# Altium PCB AVR64DA64-BREAKOUT.PcbDoc (part 2 of 4)
Units mm, origin at the board's own origin, x right, y up, seen from the top; angles counter-clockwise.
Board outline 160.02 x 165.1 mm, 2 copper layers (Top Layer, Bottom Layer), stack 1.591 mm thick; 428 components, 351 nets, 1607 pads, 177 vias.
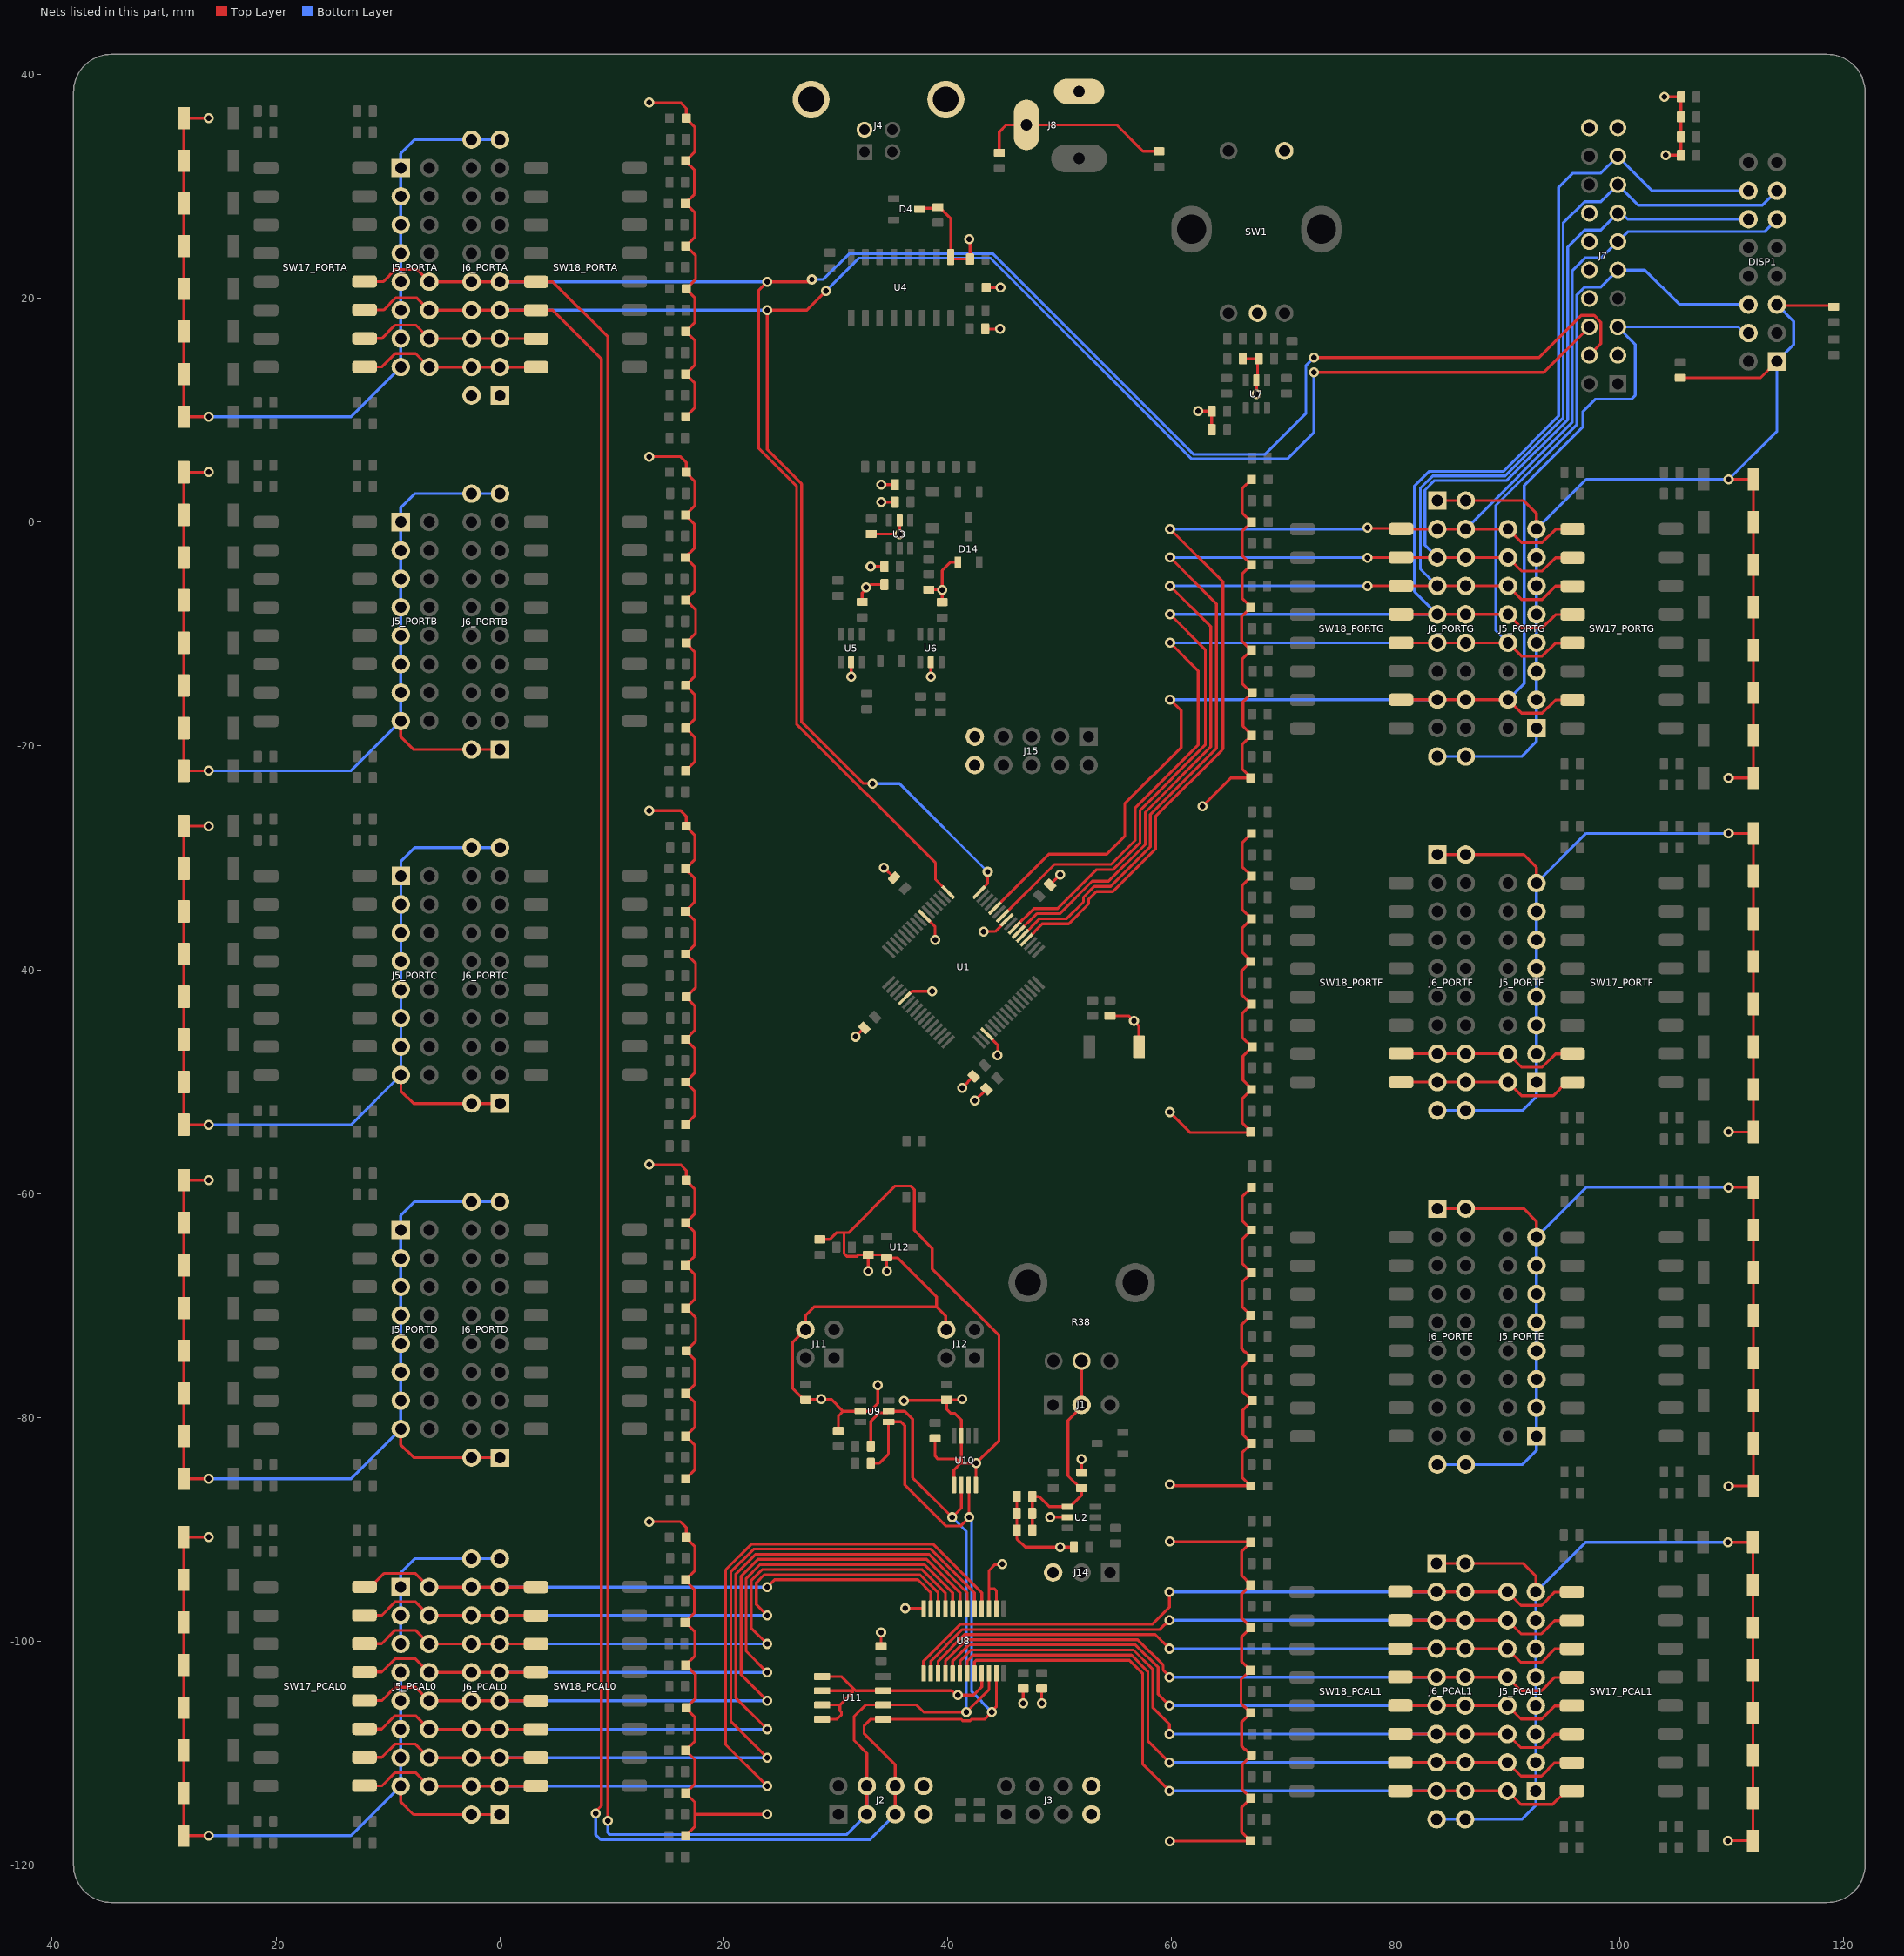
[diagram p2: the nets of this part, all layers, seen from the top]

## Footprints (in the part's own frame and the unit in brackets; to place one, negate y for a bottom-side part, rotate by r counter-clockwise, add the part's x,y. Pads: shape width x height; smd on the part's side, far side on the other; paste and mask are expansions set on the pad) (continued)
LED-0603-GREEN [mm] "LED,0603,LITEON,LTST-C193TGKT-5A"
  rrect12% 0.8x0.8 smd paste+0 mask+0.05: 1(-0.75,0) 2(0.75,0)
  body extent -0.8,-0.4 0.8,0.4, height 0.66
POTMETER-PTV09A-4015F-BXXX [mm]
  round 1.6 hole 1.1: 1(-2.5,-7) 2(0,-7) 3(2.5,-7)
  round 3.5 hole 2.3 unplated: ME1(-4.8,0) ME2(4.8,0)
  body extent -5.7,-7.15 5.7,5.5, height 15.01
QFP50P1000X1000X100-64N [mm]
  rrect25% 1.5x0.3 smd paste+0 mask+0.05: 1(-5.7,3.75) 2(-5.7,3.25) 3(-5.7,2.75) 4(-5.7,2.25) 5(-5.7,1.75) 6(-5.7,1.25) 7(-5.7,0.75) 8(-5.7,0.25) 9(-5.7,-0.25) 10(-5.7,-0.75) 11(-5.7,-1.25) 12(-5.7,-1.75) 13(-5.7,-2.25) 14(-5.7,-2.75) 15(-5.7,-3.25) 16(-5.7,-3.75) 33(5.7,-3.75) 34(5.7,-3.25) 35(5.7,-2.75) 36(5.7,-2.25) 37(5.7,-1.75) 38(5.7,-1.25) 39(5.7,-0.75) 40(5.7,-0.25) 41(5.7,0.25) 42(5.7,0.75) 43(5.7,1.25) 44(5.7,1.75) 45(5.7,2.25) 46(5.7,2.75) 47(5.7,3.25) 48(5.7,3.75)
  rrect25% 0.3x1.5 smd paste+0 mask+0.05: 17(-3.75,-5.7) 18(-3.25,-5.7) 19(-2.75,-5.7) 20(-2.25,-5.7) 21(-1.75,-5.7) 22(-1.25,-5.7) 23(-0.75,-5.7) 24(-0.25,-5.7) 25(0.25,-5.7) 26(0.75,-5.7) 27(1.25,-5.7) 28(1.75,-5.7) 29(2.25,-5.7) 30(2.75,-5.7) 31(3.25,-5.7) 32(3.75,-5.7) 49(3.75,5.7) 50(3.25,5.7) 51(2.75,5.7) 52(2.25,5.7) 53(1.75,5.7) 54(1.25,5.7) 55(0.75,5.7) 56(0.25,5.7) 57(-0.25,5.7) 58(-0.75,5.7) 59(-1.25,5.7) 60(-1.75,5.7) 61(-2.25,5.7) 62(-2.75,5.7) 63(-3.25,5.7) 64(-3.75,5.7)
  silkscreen extent -5.18,4.42 -4.42,5.18, body extent -5.79,-5.79 5.79,5.79, height 1
RESC0603 [mm] "RESISTOR, CHIP 0603 (1608)"
  rrect25% 0.72x0.99 smd paste+0 mask+0.075: 1(-0.69,0) 2(0.69,0)
  body extent -0.8,-0.4 0.8,0.4, height 0.37
SO65P490-8N [mm] "MSOP8, 0.65MM PITCH, 4.90MM SPAN, 1.15MM HEIGHT"
  rrect25% 1.45x0.395 smd mask+0.075: 1(-2.2,0.975) 2(-2.2,0.325) 3(-2.2,-0.325) 4(-2.2,-0.975) 5(2.2,-0.975) 6(2.2,-0.325) 7(2.2,0.325) 8(2.2,0.975)
  silkscreen extent -3.03,1.63 -2.27,1.63, body extent -2.45,-1.5 2.45,1.5, height 1.15
SO65P640X120-24N [mm] "TSSOP24 , 6.4MM TTT  0.65MM PITCH"
  rrect25% 1.45x0.396 smd mask+0.075: 1(-2.9,3.575) 2(-2.9,2.925) 3(-2.9,2.275) 4(-2.9,1.625) 5(-2.9,0.975) 6(-2.9,0.325) 7(-2.9,-0.325) 8(-2.9,-0.975) 9(-2.9,-1.625) 10(-2.9,-2.275) 11(-2.9,-2.925) 12(-2.9,-3.575) 13(2.9,-3.575) 14(2.9,-2.925) 15(2.9,-2.275) 16(2.9,-1.625) 17(2.9,-0.975) 18(2.9,-0.325) 19(2.9,0.325) 20(2.9,0.975) 21(2.9,1.625) 22(2.9,2.275) 23(2.9,2.925) 24(2.9,3.575)
  body extent -3.2,-3.9 3.2,3.9, height 1.21
SO127P600-8N [mm] "SO8"
  rrect25% 1.45x0.6 smd mask+0.075: 1(-2.725,1.905) 2(-2.725,0.635) 3(-2.725,-0.635) 4(-2.725,-1.905) 5(2.725,-1.905) 6(2.725,-0.635) 7(2.725,0.635) 8(2.725,1.905)
  silkscreen extent -3.55,2.63 -2.8,2.63, body extent -3.1,-2.5 3.1,2.5, height 1.75
SO127P600-16N [mm] "SO16"
  rrect25% 1.45x0.6 smd mask+0.075: 1(-2.725,4.445) 2(-2.725,3.175) 3(-2.725,1.905) 4(-2.725,0.635) 5(-2.725,-0.635) 6(-2.725,-1.905) 7(-2.725,-3.175) 8(-2.725,-4.445) 9(2.725,-4.445) 10(2.725,-3.175) 11(2.725,-1.905) 12(2.725,-0.635) 13(2.725,0.635) 14(2.725,1.905) 15(2.725,3.175) 16(2.725,4.445)
  silkscreen extent -3.1,5.05 -2.35,5.05, body extent -3.1,-5.05 2.9,5.05, height 1.35
SOD123 [mm] "SOD123"
  rrect25% 0.9x1.2 smd paste+0 mask+0.07: 1(-1.635,0) 2(1.635,0)
  silkscreen extent -2.32,-0.23 -2.32,0.23, body extent -1.85,-0.85 1.85,0.85, height 1.26
sot23 [mm] "SOT23 PACKAGE, 3 PIN"
  rrect25% 1x0.6 smd paste+0 mask+0.075: 1(-1.15,0.95) 2(-1.15,-0.95) 3(1.15,0)
  body extent -1.4,-1.45 1.4,1.45, height 1.3
SOT23 [mm] "SOT23 PACKAGE, 3 PIN"
  rrect25% 1x0.6 smd paste+0 mask+0.075: 1(-1.15,0.95) 2(-1.15,-0.95) 3(1.15,0)
  body extent -1.4,-1.45 1.4,1.45, height 1.3
SOT23-6 [mm] "SOT23 PACKAGE, 6 PIN (SOT26)"
  rrect25% 1.05x0.55 smd paste+0 mask+0.05: 1(-1.25,0.95) 2(-1.25,0) 3(-1.25,-0.95) 4(1.25,-0.95) 5(1.25,0) 6(1.25,0.95)
  silkscreen extent -1.88,1.58 -1.12,1.58, body extent -1.4,-1.45 1.4,1.45, height 1.45
sot23-6 [mm] "SOT23 PACKAGE, 6 PIN (SOT26)"
  rrect25% 1.05x0.55 smd paste+0 mask+0.05: 1(-1.25,0.95) 2(-1.25,0) 3(-1.25,-0.95) 4(1.25,-0.95) 5(1.25,0) 6(1.25,0.95)
  silkscreen extent -1.88,1.58 -1.12,1.58, body extent -1.4,-1.45 1.4,1.45, height 1.45
SWITCH-BOURNS-PEC12R-4120F-S0012 [mm] "SWITCH,ROTATRY+CLICK,20MM AXLE"
  round 1.6 hole 1: 1(-2.5,7) 2(2.5,7) A(-2.5,-7.5) B(2.5,-7.5) C(0.1,-7.5)
  oval 3.6x4.2 hole 2.6: M1(5.8,0) M2(-5.8,0)
  body extent -7,-7.6 7,7.15, height 20.01
SWITCH-CTS-219-8MST [mm]
  rrect50% 2.2x1.1 smd mask+0.05: 1(-4.4,8.878) 2(-4.4,6.338) 3(-4.4,3.798) 4(-4.4,1.258) 5(-4.4,-1.282) 6(-4.4,-3.822) 7(-4.4,-6.362) 8(-4.4,-8.902) 9(4.4,-8.877) 10(4.4,-6.337) 11(4.4,-3.798) 12(4.4,-1.257) 13(4.4,1.283) 14(4.4,3.823) 15(4.4,6.363) 16(4.4,8.903)
  body extent -4.95,-10.66 4.95,10.66, height 4.56
SWITCH-XUNPU-TS-1088-AR02016 [mm] "LCSC C720477"
  rrect9% 1.05x2 smd paste+0 mask+0.05: 1(-2.225,0) 2(2.225,0)
  body extent -2.45,-1.45 2.45,1.45, height 2

## Part data
C1 C4 C7 C11 C16 C19 C23 C26 C30 C31 C32 C33 C34 C35 C36 C37 C38 C39: library part CAPC-0603-4u7-10V-X5R_1, "CAPACITOR,CERAMIC,4u7,16V,X5R,0603", Capacitance=4u7, Dielectric=X5R, LCSC=C19666, Package / Case=0603, Voltage=16V
C2 C3 C5 C6 C8 C9 C10 C12 C13 C14 C15 C17 C18 C20 C21 C22 C24 C25 C27 C28 C29 C40: library part CAPC-0603-100nF-50V-X7R, "CAPACITOR,CERAMIC,100nF,50V,X7R,0603", Capacitance=100nF, Dielectric=X7R, LCSC=C14663, Manufacturer 1=KEMET, Manufacturer Part Number 1=C0603C104K5RACTU, Package / Case=0603, Voltage=50V, MOUSER=80-C0603C104K5R
D1 D3 D14: library part DIODE-DIODES-BAV99, "DIODE,75V,215mA,SOT23,LOW LEAKAGE", LCSC=C2500
D2: library part DIODE-SCHOTTKY-ONSEMI-B5819L, "DIODE,SCHOTTKY,40V,1,B5819,SOD123", LCSC=C8598, Manufacturer 1="JIANGSU CHANGJING", Manufacturer Part Number 1="B5819W SL"
D4: library part TVS-NEXPERIA-PESD2USB5UX-TR, "DIODE,TVS,DUAL,NIDIRETIONAL,USB,PESD2USB5UX-TR,SOT23", LCSC=C3709087, Manufacturer 1=NEXPERIA, Manufacturer Part Number 1=PESD2USB5UX-TR, DIGIKEY=1727-PESD2USB5UX-CT-ND
D5 D6_PCAL0 D6_PCAL1 D6_PORTA D6_PORTB D6_PORTC D6_PORTD D6_PORTE D6_PORTF D6_PORTG D7_PCAL0 D7_PCAL1 D7_PORTA D7_PORTB D7_PORTC D7_PORTD D7_PORTE D7_PORTF D7_PORTG D8_PCAL0 D8_PCAL1 D8_PORTA D8_PORTB D8_PORTC D8_PORTD D8_PORTE D8_PORTF D8_PORTG D9_PCAL0 D9_PCAL1 D9_PORTA D9_PORTB D9_PORTC D9_PORTD D9_PORTE D9_PORTF D9_PORTG D10_PCAL0 D10_PCAL1 D10_PORTA D10_PORTB D10_PORTC D10_PORTD D10_PORTE D10_PORTF D10_PORTG D11_PCAL0 D11_PCAL1 D11_PORTA D11_PORTB D11_PORTC D11_PORTD D11_PORTE D11_PORTF D11_PORTG D12_PCAL0 D12_PCAL1 D12_PORTA D12_PORTB D12_PORTC D12_PORTD D12_PORTE D12_PORTF D12_PORTG D13_PCAL0 D13_PCAL1 D13_PORTA D13_PORTB D13_PORTC D13_PORTD D13_PORTE D13_PORTF D13_PORTG: library part LED-0603-WHITE, "LED,SMD,WHITE,42mCd,0603", LCSC=C2290, Manufacturer 1="Hubei KENTO Elec", Manufacturer Part Number 1=KT-0603W
DISP1: "DISPLAY,LCD,ALPHA,2X40CHAR,HD44780,YELLOW BL", LCSC=C429960
J1 J14: library part CONN-HEADER-MALE-1x3, "CONN,HEADER,1x3,2.54mm", LCSC=C429954
J2 J3: library part CONN-HEADER-MALE-2X4, "CONN,HEADER,2X4,2.54mm", LCSC=C42431809
J4: "CONN,USB2.0,B,RA,BLUE", LCSC=C720549
J5_PCAL0 J5_PCAL1 J5_PORTA J5_PORTB J5_PORTC J5_PORTD J5_PORTE J5_PORTF J5_PORTG: library part CONN-HEADER-MALE-2X8, "CONN,HEADER,2X8,2.54mm", LCSC=C42431826
J6_PCAL0 J6_PCAL1 J6_PORTA J6_PORTB J6_PORTC J6_PORTD J6_PORTE J6_PORTF J6_PORTG: library part CONN-HEADER-MALE-2X10, "CONN,HEADER,2X10,2.54mm", LCSC=C5383109
J7: library part CONN-BOXHEADER-10X2, LCSC=C429961
J8: library part CONN-CUI-PJ002B, "CONN,DCPOWER,BARREL,CUI,PJ002B"
J11 J12: library part CONN-HEADER-MALE-2X2, "CONN,HEADER,2X2,2.54mm", LCSC=C5383103
J15: library part CONN-HEADER-MALE-2X5, "CONN,HEADER,2X5,2.54mm", LCSC=C42431802
L1: library part IND-MURATA-LQM18PN4R7MFRL, "IND,4u7H,0.6A,0603, LLQM18PN4R7MFRL", LCSC=C114862, Manufacturer 1=MURATA, Manufacturer Part Number 1=LLQM18PN4R7MFRL, MOUSER=81-LQH3NPZ100MMEL
Q1: library part XSTR-PMOS-ALPHAOMEGA-AO3401, "XSTR,PMOS,30V,4A,AO3401,SOT23", LCSC=C15127, Manufacturer 1="ALPHA OMEGA", Manufacturer Part Number 1=AO3401A, Package=DPAK, Idmax=4A, Vds=30V
R1 R2 R11 R13 R14 R42 R43 R45: library part RESC-0603-1K-1%-1/10W, "RESISTOR,1K,1%,100mW,0603 (1608)", LCSC=C21190, Manufacturer 1=YAGEO, Manufacturer Part Number 1=RC0603FR-071KL, Power=1/10W, Tolerance=1%, MOUSER=603-RC0603FR-071KL
R3 R4 R5 R6 R7 R8 R9 R30_PCAL0 R30_PCAL1 R30_PORTA R30_PORTB R30_PORTC R30_PORTD R30_PORTE R30_PORTF R30_PORTG R31_PCAL0 R31_PCAL1 R31_PORTA R31_PORTB R31_PORTC R31_PORTD R31_PORTE R31_PORTF R31_PORTG R32_PCAL0 R32_PCAL1 R32_PORTA R32_PORTB R32_PORTC R32_PORTD R32_PORTE R32_PORTF R32_PORTG R33_PCAL0 R33_PCAL1 R33_PORTA R33_PORTB R33_PORTC R33_PORTD R33_PORTE R33_PORTF R33_PORTG R34_PCAL0 R34_PCAL1 R34_PORTA R34_PORTB R34_PORTC R34_PORTD R34_PORTE R34_PORTF R34_PORTG R35_PCAL0 R35_PCAL1 R35_PORTA R35_PORTB R35_PORTC R35_PORTD R35_PORTE R35_PORTF R35_PORTG R36_PCAL0 R36_PCAL1 R36_PORTA R36_PORTB R36_PORTC R36_PORTD R36_PORTE R36_PORTF R36_PORTG R37_PCAL0 R37_PCAL1 R37_PORTA R37_PORTB R37_PORTC R37_PORTD R37_PORTE R37_PORTF R37_PORTG: library part RESC-0603-4K7-1%-1/10W, "RESISTOR,4K7,1%,100mW,0603 (1608)", LCSC=C23162, Manufacturer 1=YAGEO, Manufacturer Part Number 1=RC0603FR-074K7L, Power=1/10W, Tolerance=1%, MOUSER=603-RC0603FR-074K7L
R10 R12 R16 R19 R20 R21 R39 R40 R41 R46 R47: library part RESC-0603-470R-1%-1/10W, "RESISTOR,470R,1%,100mW,0603 (1608)", LCSC=C23179, Power=1/10W, Tolerance=1%
R15: library part RESC-0603-18K-1%-1/10W, "RESISTOR,18K,1%,100mW,0603 (1608)", LCSC=C25810, Power=1/10W, Tolerance=1%
R17 R18 R22_PCAL0 R22_PCAL1 R22_PORTA R22_PORTB R22_PORTC R22_PORTD R22_PORTE R22_PORTF R22_PORTG R23_PCAL0 R23_PCAL1 R23_PORTA R23_PORTB R23_PORTC R23_PORTD R23_PORTE R23_PORTF R23_PORTG R24_PCAL0 R24_PCAL1 R24_PORTA R24_PORTB R24_PORTC R24_PORTD R24_PORTE R24_PORTF R24_PORTG R25_PCAL0 R25_PCAL1 R25_PORTA R25_PORTB R25_PORTC R25_PORTD R25_PORTE R25_PORTF R25_PORTG R26_PCAL0 R26_PCAL1 R26_PORTA R26_PORTB R26_PORTC R26_PORTD R26_PORTE R26_PORTF R26_PORTG R27_PCAL0 R27_PCAL1 R27_PORTA R27_PORTB R27_PORTC R27_PORTD R27_PORTE R27_PORTF R27_PORTG R28_PCAL0 R28_PCAL1 R28_PORTA R28_PORTB R28_PORTC R28_PORTD R28_PORTE R28_PORTF R28_PORTG R29_PCAL0 R29_PCAL1 R29_PORTA R29_PORTB R29_PORTC R29_PORTD R29_PORTE R29_PORTF R29_PORTG R44: library part RESC-0603-10K-1%-1/10W, "RESISTOR,10K,1%,100mW,0603 (1608)", LCSC=C25804, Manufacturer 1=YAGEO, Manufacturer Part Number 1=RC0603FR-0710KL, Power=1/10W, Tolerance=1%, MOUSER=603-RC0603FR-0710KL
R38: "RES,POT,VERT,TH,BOURNS PTV09A-4015F,10K"
SW1: library part SWITCH-BOURNS-PEC12R-4120F-S0012, "SWITCH,ENCODER+CLICK,BOURNS,PEC12R-4120F-S0012", Manufacturer 1=BOURNS, Manufacturer Part Number 1=PEC12R-4120F-S0012
SW6 SW9_PCAL0 SW9_PCAL1 SW9_PORTA SW9_PORTB SW9_PORTC SW9_PORTD SW9_PORTE SW9_PORTF SW9_PORTG SW10_PCAL0 SW10_PCAL1 SW10_PORTA SW10_PORTB SW10_PORTC SW10_PORTD SW10_PORTE SW10_PORTF SW10_PORTG SW11_PCAL0 SW11_PCAL1 SW11_PORTA SW11_PORTB SW11_PORTC SW11_PORTD SW11_PORTE SW11_PORTF SW11_PORTG SW12_PCAL0 SW12_PCAL1 SW12_PORTA SW12_PORTB SW12_PORTC SW12_PORTD SW12_PORTE SW12_PORTF SW12_PORTG SW13_PCAL0 SW13_PCAL1 SW13_PORTA SW13_PORTB SW13_PORTC SW13_PORTD SW13_PORTE SW13_PORTF SW13_PORTG SW14_PCAL0 SW14_PCAL1 SW14_PORTA SW14_PORTB SW14_PORTC SW14_PORTD SW14_PORTE SW14_PORTF SW14_PORTG SW15_PCAL0 SW15_PCAL1 SW15_PORTA SW15_PORTB SW15_PORTC SW15_PORTD SW15_PORTE SW15_PORTF SW15_PORTG SW16_PCAL0 SW16_PCAL1 SW16_PORTA SW16_PORTB SW16_PORTC SW16_PORTD SW16_PORTE SW16_PORTF SW16_PORTG: "SWITCH,TACT,SMD,2PIN,SMT,TOP ACTUATOR", LCSC=C720477, Manufacturer 1=XUNPU, Manufacturer Part Number 1=TS-1088-AR02016
SW17_PCAL0 SW17_PCAL1 SW17_PORTA SW17_PORTB SW17_PORTC SW17_PORTD SW17_PORTE SW17_PORTF SW17_PORTG SW18_PCAL0 SW18_PCAL1 SW18_PORTA SW18_PORTB SW18_PORTC SW18_PORTD SW18_PORTE SW18_PORTF SW18_PORTG: "SWITCH,DIP,NOX8,SMD,2.54", LCSC=C319032, Manufacturer 1=HanElectricity, Manufacturer Part Number 1=HY-DSIC08LS
U1: "IC,CPU,ATMEL,AVR64DA64,TQFP64", LCSC=C5227841
U2 U7: "IC,LOGIC,SINGLEGATE,DUAL SCHMITT-TRIGER,INVERTER,SOT23-6", LCSC=C19829598, Manufacturer Part Number 1=74LVC2G14GV
U3: library part IC-AEROSEMI-MT3608, "IC,REG,BOOST,AEROSEMI,MT3608", LCSC=C84817
U4: library part IC-WCH-CH340B, "IC,XCVR,USB UART WITH XTAL AND EEPROM,WCH,CH340G-SO16", LCSC=CH340B, Manufacturer 1=WCH, Manufacturer Part Number 1=FT231XS-R, MOUSER=CH340B
U5 U6: library part IC-TI-SN74LVC1G3157DBVR, "IC,ANALOG,SPDT ANALOG SWITCH,SINGLEGATE,TI,SN74LVC1G3157DBVR,SOT23-6", LCSC=C2673494, Manufacturer 1=TI, Manufacturer Part Number 1=SN74LVC1G3157DBVR, DIGIKEY=296-14908-1-ND
U8: library part IC-NEXPERIA-PCAL9555A, "I2C,16BIT AGILE I/O EXPANDER,INT,NEXPERIA,PCAL95555,TSSOP24", LCSC=C2669740, Manufacturer 1=NEXPERIA, Manufacturer Part Number 1=PCAL9555APW,118, DIGIKEY=568-9928-1-ND
U9: library part IC-MICROCHIP-MCP4706A0T, "IC,DAC,8BIT,I2C", LCSC=C2649360, Manufacturer 1=MICROCHIP, Manufacturer Part Number 1=MCP4706A0T-E/CH
U10: library part IC-MICROCHIP-MCP4551T-103, "IC,DIGITAL POTMETER,257STEP,I2C,10K,MICROCHIP,MCP4551T-103", LCSC=C627285, Manufacturer 1=MICROCHIP, Manufacturer Part Number 1=MCP4551T-103E/MS, DIGIKEY=MCP4551T-103E/MSCT-ND
U11: library part IC-INFINEON-FM24C64B-GTR, "IC,FRAM,I2C, 64KBIT", LCSC=C914923, Supplier 1="Arrow Electronics", Supplier Part Number 1=FM24C64B-GTR
U12: library part IC-TI-LM4040-2.048, "IC,VOLTAGE REFERENCE,2.048V", LCSC=C2156884, Manufacturer 1=TI, Manufacturer Part Number 1=LM4040A20IDBZR

## Via types
v1: diameter 0.9, hole 0.5, Top Layer to Bottom Layer, tented both sides, 177 vias

## Nets (pads, with @x,y where several pads share a name; then routed paths per layer and width w, separated by ;. In a path a pad name is that pad's centre, name@x,y a point inside that pad or via, vN(x,y) a via of type N, cw(c..) or ccw(c..) an arc to the next point about the centre after c; other vN are vias at no path point)
F-KEYINT-A: J7.8
F-KEYINT-B: J7.10
F-LCD4: DISP1.11 J5_PORTG.16 J6_PORTG.3 J6_PORTG.4 J7.11 SW17_PORTG.1 SW18_PORTG.16 U1.52 | length 132.4
  Top Layer w0.254: U1.52@47.027,-37.311 48.447,-35.892 50.798,-35.892 52.57,-34.119 52.57,-33.703 53.271,-33.002 54.745,-33.002 58.547,-29.2 58.547,-26.301 64.448,-20.399 64.448,-20.388 64.568,-20.268 64.568,-5.341 v1(59.85,-0.623) ; v1(77.47,-0.508) 77.527,-0.565 80.42,-0.565 SW18_PORTG.16@80.477,-0.622 80.48,-0.625 90.032,-0.625 J5_PORTG.16@90.035,-0.628 91.241,-1.834 93.075,-1.834 94.261,-0.647 SW17_PORTG.1@95.807,-0.647
  Bottom Layer w0.254: v1(59.85,-0.623) 77.355,-0.623 v1(77.47,-0.508) ; J6_PORTG.4@86.253,-0.623 95.762,8.886 95.762,22.429 96.956,23.623 98.408,23.623 100.733,25.948 112.948,25.948 DISP1.11@114.05,27.05
F-LCD5: DISP1.12 J5_PORTG.14 J6_PORTG.5 J6_PORTG.6 J7.13 SW17_PORTG.2 SW18_PORTG.15 U1.53 | length 136.8
  Top Layer w0.254: U1.53@46.674,-36.958 48.197,-35.434 50.608,-35.434 52.113,-33.93 52.113,-33.513 53.081,-32.545 54.555,-32.545 58.09,-29.01 58.09,-26.111 63.991,-20.21 63.991,-7.304 v1(59.85,-3.163) ; v1(77.47,-3.175) 77.476,-3.169 80.471,-3.169 SW18_PORTG.15@80.477,-3.162 80.48,-3.165 90.032,-3.165 J5_PORTG.14@90.035,-3.168 91.241,-4.374 93.075,-4.374 94.261,-3.187 SW17_PORTG.2@95.807,-3.187
  Bottom Layer w0.254: v1(59.85,-3.163) 77.458,-3.163 v1(77.47,-3.175) ; J6_PORTG.5@83.713,-3.163 82.611,-2.061 82.611,2.857 83.471,3.717 89.935,3.717 95.358,9.14 95.358,24.565 96.875,26.082 98.327,26.082 J7.13@99.84,27.595 100.177,27.595 100.552,27.22 100.557,27.22 100.726,27.051 DISP1.12@111.51,27.05
F-LCD6: DISP1.13 J5_PORTG.12 J6_PORTG.7 J6_PORTG.8 J7.15 SW17_PORTG.3 SW18_PORTG.14 U1.54 | length 142.6
  Top Layer w0.254: U1.54@46.32,-36.604 47.947,-34.977 50.002,-34.977 52.892,-32.087 53.649,-32.087 54.366,-32.087 57.633,-28.821 57.633,-25.922 63.489,-20.066 63.489,-9.342 v1(59.85,-5.703) ; v1(77.47,-5.706) 80.473,-5.706 SW18_PORTG.14@80.477,-5.702 J6_PORTG.7@83.713,-5.703 ; J6_PORTG.7@83.713,-5.705 90.032,-5.705 J5_PORTG.12@90.035,-5.708 91.241,-6.914 93.075,-6.914 94.261,-5.727 SW17_PORTG.3@95.807,-5.727
  Bottom Layer w0.254: v1@59.853,-5.706 v1(77.47,-5.706) 77.669,-5.706 v1@77.672,-5.703 ; J6_PORTG.7@83.713,-5.703 82.207,-4.197 82.207,3.024 83.304,4.121 89.767,4.121 94.954,9.308 94.954,26.701 96.875,28.622 98.327,28.622 J7.15@99.84,30.135 101.675,28.3 112.76,28.3 DISP1.13@114.05,29.59
F-LCD7: DISP1.14 J5_PORTG.10 J6_PORTG.9 J6_PORTG.10 J7.17 SW17_PORTG.4 SW18_PORTG.13 U1.55 | length 146.2
  Top Layer w0.254: U1.55@45.967,-36.251 47.697,-34.52 49.813,-34.52 53.294,-31.039 54.467,-31.039 54.768,-31.039 57.175,-28.631 57.175,-25.732 62.992,-19.916 62.992,-11.385 v1(59.85,-8.243) ; SW18_PORTG.13@80.477,-8.242 80.48,-8.245 90.032,-8.245 J5_PORTG.10@90.035,-8.248 91.241,-9.454 93.075,-9.454 94.261,-8.267 SW17_PORTG.4@95.807,-8.267
  Bottom Layer w0.254: v1(59.85,-8.243) J6_PORTG.9@83.713,-8.243 81.675,-6.205 81.675,3.227 82.973,4.525 89.6,4.525 94.55,9.475 94.55,29.892 95.82,31.162 98.327,31.162 J7.17@99.84,32.675 101.368,31.147 102.925,29.59 DISP1.14@111.51,29.59
F-LCDE: DISP1.6 J5_PORTG.8 J6_PORTG.11 J6_PORTG.12 J7.9 SW17_PORTG.5 SW18_PORTG.12 U1.58 | length 127.9
  Top Layer w0.254: U1.58@44.906,-35.19 49.515,-30.582 54.278,-30.582 54.579,-30.582 56.718,-28.442 56.718,-25.543 62.357,-19.904 62.357,-13.29 v1(59.85,-10.783) ; SW18_PORTG.12@80.477,-10.782 80.48,-10.785 90.032,-10.785 J5_PORTG.8@90.035,-10.788 91.241,-11.994 93.075,-11.994 94.261,-10.807 SW17_PORTG.5@95.807,-10.807
  Bottom Layer w0.254: v1(59.85,-10.783) J6_PORTG.11@83.726,-10.783 ; J5_PORTG.8@90.035,-10.788 88.933,-9.686 88.933,1.486 96.166,8.719 96.166,20.293 96.875,21.002 98.327,21.002 J7.9@99.84,22.515 102.258,22.515 105.342,19.431 DISP1.6@111.51,19.43
F-LCDRS: DISP1.4 J5_PORTG.4 J6_PORTG.15 J6_PORTG.16 J7.5 SW17_PORTG.7 SW18_PORTG.10 U1.60 | length 121.2
  Top Layer w0.254: U1.60@44.199,-34.483 49.015,-29.667 53.899,-29.667 54.2,-29.667 55.804,-28.063 55.804,-25.164 60.833,-20.135 60.833,-16.846 v1(59.85,-15.863) ; SW18_PORTG.10@80.477,-15.862 80.48,-15.865 90.032,-15.865 J5_PORTG.4@90.035,-15.868 91.241,-17.074 93.075,-17.074 94.261,-15.887 SW17_PORTG.7@95.807,-15.887
  Bottom Layer w0.254: v1(59.85,-15.863) J6_PORTG.15@83.726,-15.863 ; J5_PORTG.4@90.035,-15.868 91.473,-14.43 91.473,3.273 96.725,8.525 96.725,9.875 97.825,10.975 101.05,10.975 101.4,11.325 101.4,15.875 J7.5@99.84,17.435 110.588,17.435 DISP1.4@111.132,16.891
F-POWERON: J7.3
F-SCL: J2.3 J2.4 J5_PORTA.10 J6_PORTA.9 J6_PORTA.10 J7.4 R4.2 SW17_PORTA.4 SW18_PORTA.13 U1.1 U8.22 U9.5 U10.2 U11.6 | length 427.1
  Top Layer w0.254: SW17_PORTA.4@-12.094,21.488 -10.402,21.488 -9.319,22.57 -7.424,22.57 -6.32,21.466 -2.54,21.466 -2.538,21.463 J6_PORTA.9@0,21.463 0,21.465 0.003,21.463 SW18_PORTA.13@3.236,21.463 4.717,21.463 9.625,16.554 v1(9.625,-116.025) ; v1(27.85,21.675) 27.638,21.463 v1(23.876,21.463) 23.096,20.683 23.096,6.608 26.485,3.219 26.485,-18.042 38.901,-30.458 38.901,-31.943 U1.1@40.027,-33.069 ; J2.3@32.762,-115.432 J2.4@32.762,-112.892 32.762,-109.978 31.623,-108.839 31.623,-106.68 32.639,-105.664 U11.6@34.221,-105.664 37.211,-105.664 37.846,-106.299 v1(41.656,-106.299) 43.681,-104.274 U8.22@43.681,-102.849 ; R4.2@33.121,-82.557 33.121,-80.329 33.877,-79.573 34.552,-79.573 U9.5@34.7,-79.425 36.15,-79.425 36.85,-80.125 36.85,-85.364 v1(40.386,-88.9) 41.204,-88.082 U10.2@41.204,-86.02 ; v1(72.7,14.7) 92.8,14.7 96.562,18.462 97.725,18.462 98.327,17.86 98.327,15.922 J7.4@97.3,14.895
  Bottom Layer w0.254: J6_PORTA.9@0,21.463 v1(23.876,21.463) ; v1(9.625,-116.025) 9.625,-117.067 9.808,-117.25 30.944,-117.25 32.497,-115.697 32.762,-115.697 J2.4@32.762,-112.892 ; v1(27.85,21.675) 28.9,21.675 31.2,23.975 44,23.975 61.925,6.05 68.343,6.05 71.973,9.68 71.973,13.973 v1(72.7,14.7) ; v1(40.386,-88.9) 41.656,-90.17 v1(41.656,-106.299)
F-SDA: J2.5 J2.6 J5_PORTA.12 J6_PORTA.7 J6_PORTA.8 J7.6 R3.2 SW17_PORTA.3 SW18_PORTA.14 U1.64 U8.23 U9.4 U10.3 U11.5 | length 426
  Top Layer w0.254: SW17_PORTA.3@-12.094,18.948 -10.402,18.948 -9.319,20.03 -7.424,20.03 -6.32,18.926 -2.54,18.926 -2.538,18.923 J6_PORTA.7@0,18.923 0,18.925 0.003,18.923 SW18_PORTA.14@3.236,18.923 4.717,18.923 9.05,14.589 9.05,-114.675 8.55,-115.175 v1(8.55,-115.35) ; v1(29.125,20.65) 27.398,18.923 v1(23.876,18.923) 23.876,6.475 26.942,3.409 26.942,-17.852 32.443,-23.353 33.259,-23.353 v1(33.274,-23.368) ; R3.2@33.121,-84.081 33.844,-84.081 34.7,-83.225 U9.4@34.7,-80.375 35.8,-80.375 36.15,-80.725 36.15,-86 39.83,-89.68 41.13,-89.68 v1(41.91,-88.9) 41.882,-88.872 41.882,-86.048 U10.3@41.854,-86.02 ; J2.5@35.302,-115.432 J2.6@35.302,-112.892 35.302,-110.994 32.512,-108.204 32.512,-107.529 33.106,-106.934 U11.5@34.221,-106.934 41.188,-106.934 41.333,-107.079 41.979,-107.079 42.124,-106.934 43.307,-106.934 v1(43.942,-106.299) 43.942,-106.216 44.331,-105.827 U8.23@44.331,-102.849 ; U1.64@42.785,-33.069 43.561,-32.293 v1(43.561,-31.242) ; v1(72.7,13.375) 93.24,13.375 J7.6@97.3,17.435
  Bottom Layer w0.254: J6_PORTA.7@0,18.923 v1(23.876,18.923) ; v1(8.55,-115.35) 8.55,-117.262 8.988,-117.7 33.034,-117.7 J2.5@35.302,-115.432 ; v1(29.125,20.65) 32.046,23.571 43.833,23.571 61.758,5.646 70.342,5.646 72.7,8.004 v1(72.7,13.375) ; v1(33.274,-23.368) 35.687,-23.368 v1(43.561,-31.242) ; v1(41.91,-88.9) 41.91,-89.075 42.125,-89.29 42.125,-104.482 v1(43.942,-106.299)